# KiCad board MagMechSplit_nRF52840.kicad_pcb
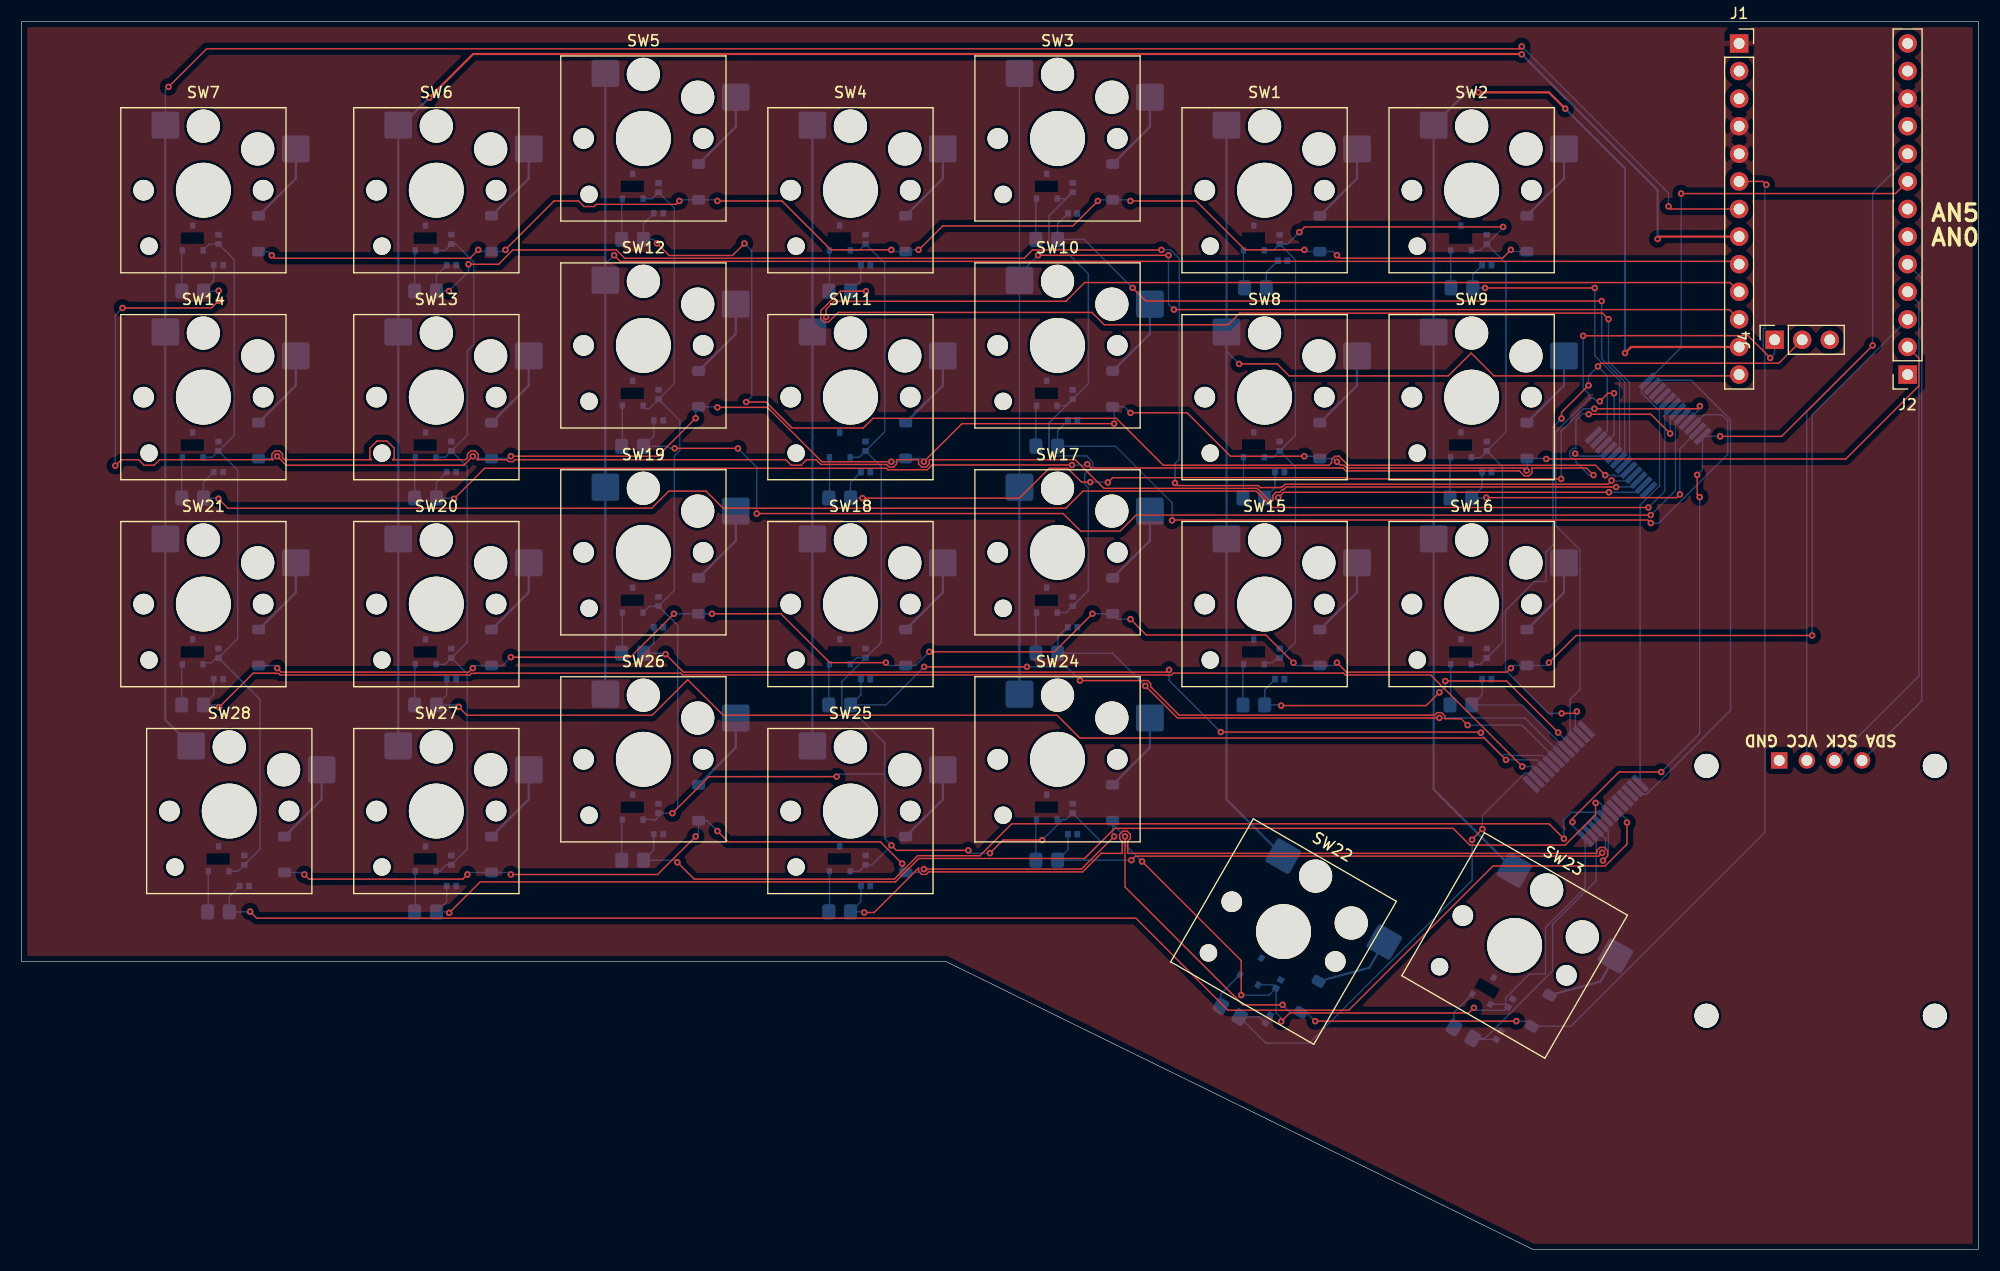
[diagram p0: board, top side]
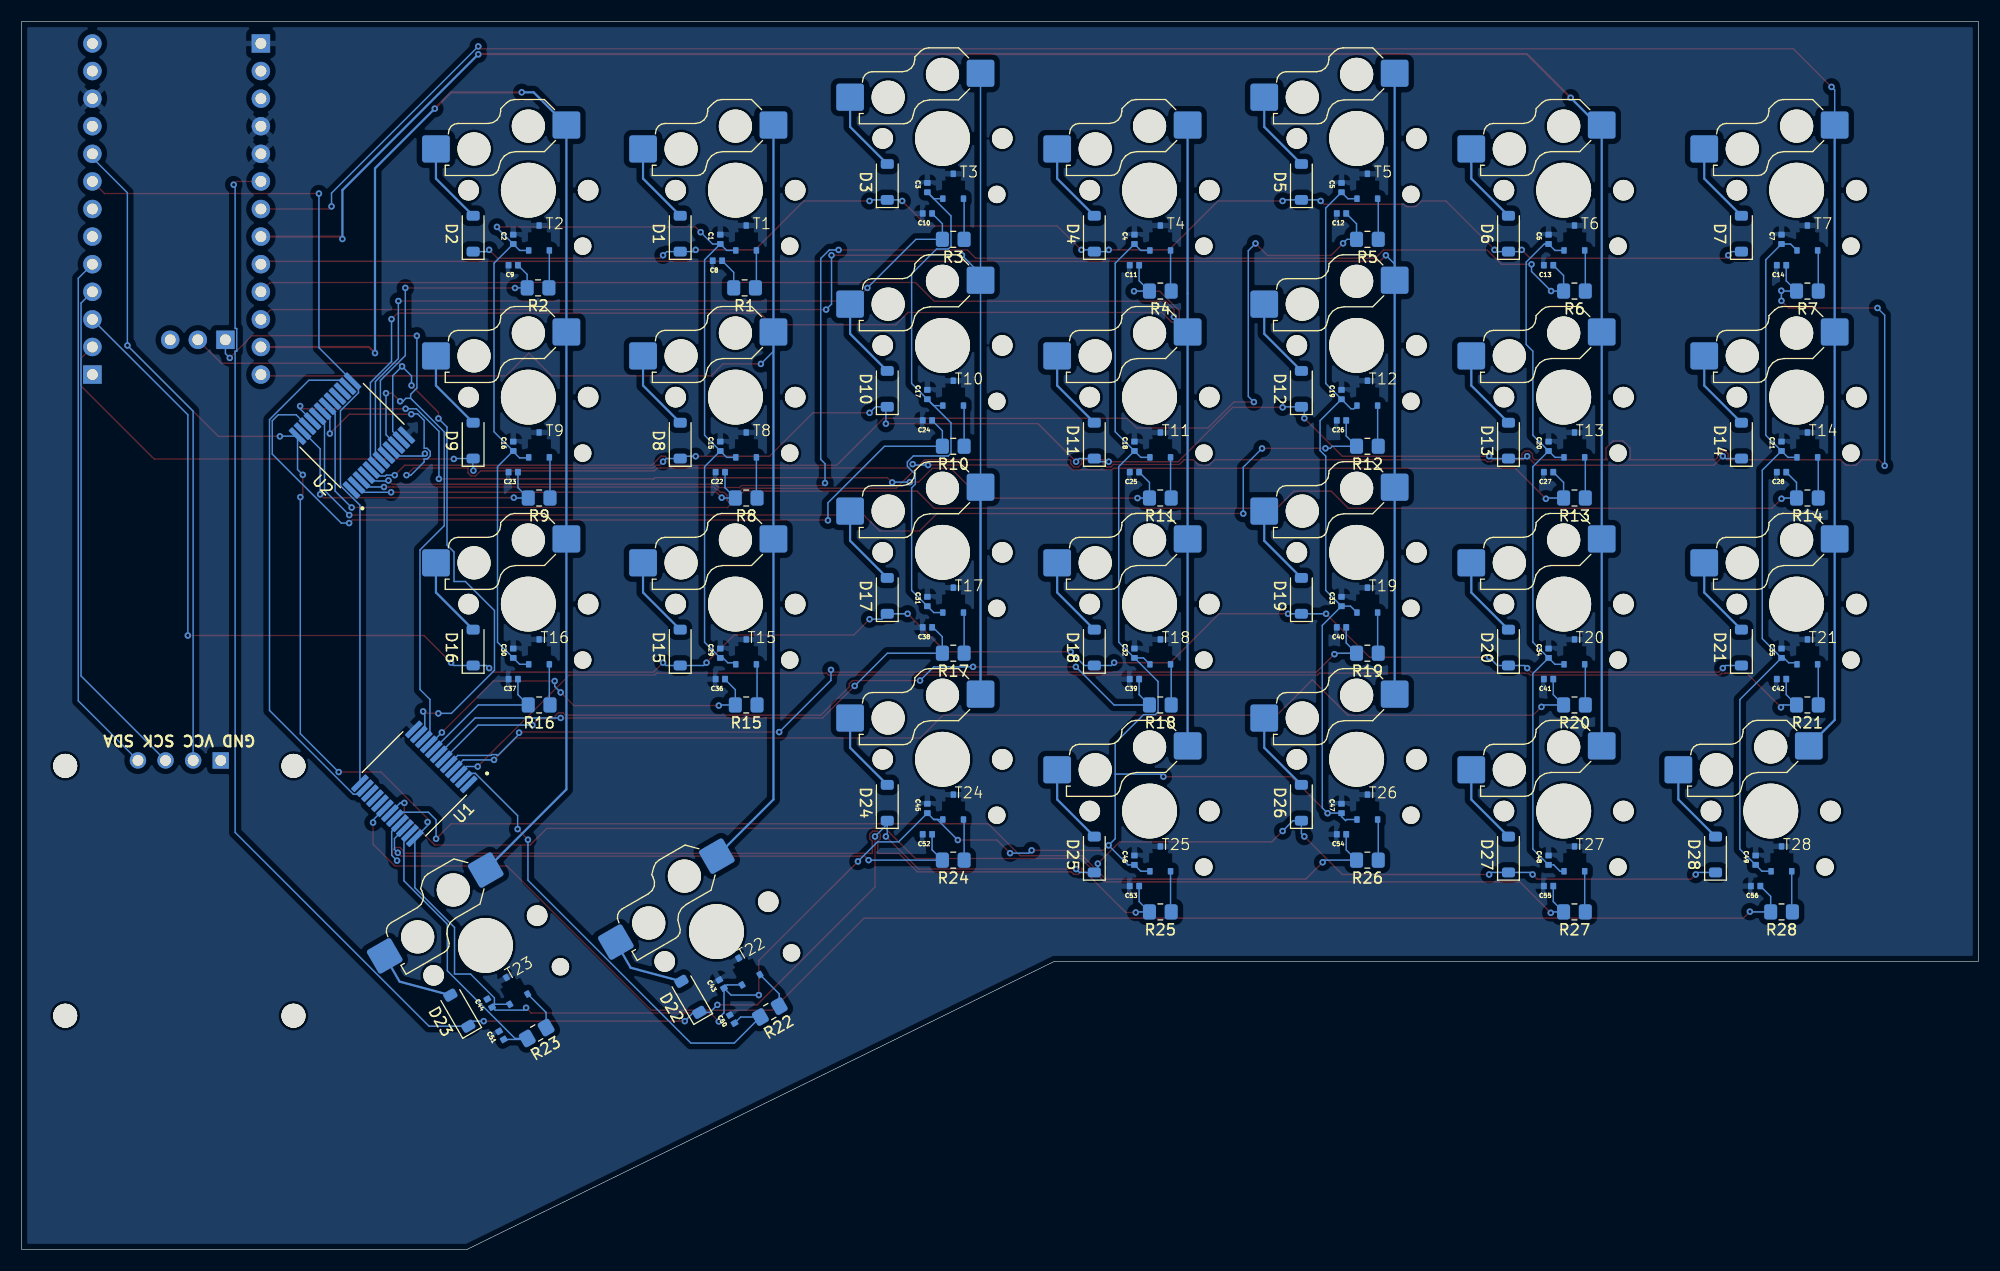
[diagram p1: board, bottom side, seen from below]

Outline 180 x 113 mm; copper layers: Front, In1.Cu, In2.Cu, Back. Coordinates in mm from the lower left corner of the outline.
Outline path: 0,113 0,26.5 85,26.5 139,0 180,0 180,113 0,113
Stack: Front 0.035mm / dielectric 0.4801mm FR4 er 4.5 / In1.Cu 0.035mm / dielectric 0.4801mm FR4 er 4.5 / In2.Cu 0.035mm / dielectric 0.4801mm FR4 er 4.5 / Back 0.035mm

## Placement (name value [footprint] x y rotation side)
C1  1uF  [CAPC1005X55N]  115.73 92.97 90 bottom
C2  1uF  [CAPC1005X55N]  134.78 92.97 90 bottom
C3  1uF  [CAPC1005X55N]  96.68 97.73 90 bottom
C4  1uF  [CAPC1005X55N]  77.63 92.97 90 bottom
C5  1uF  [CAPC1005X55N]  58.58 97.73 90 bottom
C6  1uF  [CAPC1005X55N]  39.53 92.97 90 bottom
C7  1uF  [CAPC1005X55N]  18.1 92.97 90 bottom
C8  100pF  [CAPC1005X55N]  116 91 0 bottom
C9  100pF  [CAPC1005X55N]  134.78 90.59 0 bottom
C10  100pF  [CAPC1005X55N]  96.68 95.35 0 bottom
C11  100pF  [CAPC1005X55N]  77.63 90.59 0 bottom
C12  100pF  [CAPC1005X55N]  58.58 95.35 0 bottom
C13  100pF  [CAPC1005X55N]  39.53 90.59 0 bottom
C14  100pF  [CAPC1005X55N]  18.1 90.59 0 bottom
C15  1uF  [CAPC1005X55N]  115.73 73.92 90 bottom
C16  1uF  [CAPC1005X55N]  134.78 73.92 90 bottom
C17  1uF  [CAPC1005X55N]  96.68 78.68 90 bottom
C18  1uF  [CAPC1005X55N]  77.63 73.92 90 bottom
C19  1uF  [CAPC1005X55N]  58.58 78.68 90 bottom
C20  1uF  [CAPC1005X55N]  39.53 73.92 90 bottom
C21  1uF  [CAPC1005X55N]  18.1 73.92 90 bottom
C22  100pF  [CAPC1005X55N]  115.73 71.54 0 bottom
C23  100pF  [CAPC1005X55N]  134.78 71.54 0 bottom
C24  100pF  [CAPC1005X55N]  96.68 76.3 0 bottom
C25  100pF  [CAPC1005X55N]  77.63 71.54 0 bottom
C26  100pF  [CAPC1005X55N]  58.58 76.3 0 bottom
C27  100pF  [CAPC1005X55N]  39.53 71.54 0 bottom
C28  100pF  [CAPC1005X55N]  18.1 71.54 0 bottom
C29  1uF  [CAPC1005X55N]  115.73 54.87 90 bottom
C30  1uF  [CAPC1005X55N]  134.78 54.87 90 bottom
C31  1uF  [CAPC1005X55N]  96.68 59.63 90 bottom
C32  1uF  [CAPC1005X55N]  77.63 54.87 90 bottom
C33  1uF  [CAPC1005X55N]  58.58 59.63 90 bottom
C34  1uF  [CAPC1005X55N]  39.53 54.87 90 bottom
C35  1uF  [CAPC1005X55N]  18.1 54.87 90 bottom
C36  100pF  [CAPC1005X55N]  115.73 52.49 0 bottom
C37  100pF  [CAPC1005X55N]  134.78 52.49 0 bottom
C38  100pF  [CAPC1005X55N]  96.68 57.25 0 bottom
C39  100pF  [CAPC1005X55N]  77.63 52.49 0 bottom
C40  100pF  [CAPC1005X55N]  58.58 57.25 0 bottom
C41  100pF  [CAPC1005X55N]  39.53 52.49 0 bottom
C42  100pF  [CAPC1005X55N]  18.1 52.49 0 bottom
C43  1uF  [CAPC1005X55N]  115.61 24.42 60 bottom
C44  1uF  [CAPC1005X55N]  136.95 22.66 60 bottom
C45  1uF  [CAPC1005X55N]  96.68 40.58 90 bottom
C46  1uF  [CAPC1005X55N]  77.63 35.82 90 bottom
C47  1uF  [CAPC1005X55N]  58.58 40.58 90 bottom
C48  1uF  [CAPC1005X55N]  39.53 35.82 90 bottom
C49  1uF  [CAPC1005X55N]  20.48 35.82 90 bottom
C50  100pF  [CAPC1005X55N]  114.64 21.19 60 bottom
C51  100pF  [CAPC1005X55N]  135.87 19.69 60 bottom
C52  100pF  [CAPC1005X55N]  96.68 38.2 0 bottom
C53  100pF  [CAPC1005X55N]  77.63 33.44 0 bottom
C54  100pF  [CAPC1005X55N]  58.58 38.2 0 bottom
C55  100pF  [CAPC1005X55N]  39.53 33.44 0 bottom
C56  100pF  [CAPC1005X55N]  20.48 33.44 0 bottom
D1  D  [D_SOD-123]  119.42 93.49 90 bottom
D2  D  [D_SOD-123]  138.47 93.49 90 bottom
D3  D  [D_SOD-123]  100.37 98.25 90 bottom
D4  D  [D_SOD-123]  81.32 93.49 90 bottom
D5  D  [D_SOD-123]  62.27 98.25 90 bottom
D6  D  [D_SOD-123]  43.22 93.49 90 bottom
D7  D  [D_SOD-123]  21.79 93.49 90 bottom
D8  D  [D_SOD-123]  119.42 74.44 90 bottom
D9  D  [D_SOD-123]  138.47 74.44 90 bottom
D10  D  [D_SOD-123]  100.37 79.2 90 bottom
D11  D  [D_SOD-123]  81.32 74.44 90 bottom
D12  D  [D_SOD-123]  62.27 79.2 90 bottom
D13  D  [D_SOD-123]  43.22 74.44 90 bottom
D14  D  [D_SOD-123]  21.79 74.44 90 bottom
D15  D  [D_SOD-123]  119.42 55.39 90 bottom
D16  D  [D_SOD-123]  138.47 55.39 90 bottom
D17  D  [D_SOD-123]  100.37 60.15 90 bottom
D18  D  [D_SOD-123]  81.32 55.39 90 bottom
D19  D  [D_SOD-123]  62.27 60.15 90 bottom
D20  D  [D_SOD-123]  43.22 55.39 90 bottom
D21  D  [D_SOD-123]  21.79 55.39 90 bottom
D22  D  [D_SOD-123]  118.48 23.24 60 bottom
D23  D  [D_SOD-123]  139.74 21.96 60 bottom
D24  D  [D_SOD-123]  100.37 41.1 90 bottom
D25  D  [D_SOD-123]  81.32 36.34 90 bottom
D26  D  [D_SOD-123]  62.27 41.1 90 bottom
D27  D  [D_SOD-123]  43.22 36.34 90 bottom
D28  D  [D_SOD-123]  24.17 36.34 90 bottom
J1  Conn_01x13_Pin  [PinSocket_1x13_P2.54mm_Vertical]  158 111 0 top
J2  Conn_01x13_Pin  [PinSocket_1x13_P2.54mm_Vertical]  173.5 80.52 180 top
J4  Conn_01x03_Pin  [PinSocket_1x03_P2.54mm_Vertical]  161.26 83.72 90 top
R1  47k  [R_0805_2012Metric_Pad1.20x1.40mm_HandSolder]  113.5 88.5 0 bottom
R2  47k  [R_0805_2012Metric_Pad1.20x1.40mm_HandSolder]  132.5 88.5 0 bottom
R3  47k  [R_0805_2012Metric_Pad1.20x1.40mm_HandSolder]  94.3 92.97 0 bottom
R4  47k  [R_0805_2012Metric_Pad1.20x1.40mm_HandSolder]  75.25 88.21 0 bottom
R5  47k  [R_0805_2012Metric_Pad1.20x1.40mm_HandSolder]  56.2 92.97 0 bottom
R6  47k  [R_0805_2012Metric_Pad1.20x1.40mm_HandSolder]  37.15 88.21 0 bottom
R7  47k  [R_0805_2012Metric_Pad1.20x1.40mm_HandSolder]  15.72 88.21 0 bottom
R8  47k  [R_0805_2012Metric_Pad1.20x1.40mm_HandSolder]  113.35 69.16 0 bottom
R9  47k  [R_0805_2012Metric_Pad1.20x1.40mm_HandSolder]  132.4 69.16 0 bottom
R10  47k  [R_0805_2012Metric_Pad1.20x1.40mm_HandSolder]  94.3 73.92 0 bottom
R11  47k  [R_0805_2012Metric_Pad1.20x1.40mm_HandSolder]  75.25 69.16 0 bottom
R12  47k  [R_0805_2012Metric_Pad1.20x1.40mm_HandSolder]  56.2 73.92 0 bottom
R13  47k  [R_0805_2012Metric_Pad1.20x1.40mm_HandSolder]  37.15 69.16 0 bottom
R14  47k  [R_0805_2012Metric_Pad1.20x1.40mm_HandSolder]  15.72 69.16 0 bottom
R15  47k  [R_0805_2012Metric_Pad1.20x1.40mm_HandSolder]  113.35 50.11 0 bottom
R16  47k  [R_0805_2012Metric_Pad1.20x1.40mm_HandSolder]  132.4 50.11 0 bottom
R17  47k  [R_0805_2012Metric_Pad1.20x1.40mm_HandSolder]  94.3 54.87 0 bottom
R18  47k  [R_0805_2012Metric_Pad1.20x1.40mm_HandSolder]  75.25 50.11 0 bottom
R19  47k  [R_0805_2012Metric_Pad1.20x1.40mm_HandSolder]  56.2 54.87 0 bottom
R20  47k  [R_0805_2012Metric_Pad1.20x1.40mm_HandSolder]  37.15 50.11 0 bottom
R21  47k  [R_0805_2012Metric_Pad1.20x1.40mm_HandSolder]  15.72 50.11 0 bottom
R22  47k  [R_0805_2012Metric_Pad1.20x1.40mm_HandSolder]  111.18 21.88 330 bottom
R23  47k  [R_0805_2012Metric_Pad1.20x1.40mm_HandSolder]  132.62 19.91 330 bottom
R24  47k  [R_0805_2012Metric_Pad1.20x1.40mm_HandSolder]  94.3 35.82 0 bottom
R25  47k  [R_0805_2012Metric_Pad1.20x1.40mm_HandSolder]  75.25 31.06 0 bottom
R26  47k  [R_0805_2012Metric_Pad1.20x1.40mm_HandSolder]  56.2 35.82 0 bottom
R27  47k  [R_0805_2012Metric_Pad1.20x1.40mm_HandSolder]  37.15 31.06 0 bottom
R28  47k  [R_0805_2012Metric_Pad1.20x1.40mm_HandSolder]  18.1 31.06 0 bottom
REF**  -  [OLED_128x64]  165.5 33 180 top
REF**#2  -  [Standoff_M2x4mm]  155 21.5 180 bottom
REF**#3  -  [Standoff_M2x4mm]  176 21.5 180 bottom
REF**#4  -  [Standoff_M2x4mm]  176 44.5 180 bottom
REF**#5  -  [Standoff_M2x4mm]  155 44.5 180 bottom
SW1  SW_Push  [SW_Hotswap_Kailh_Choc_V1V2_1.00u]  114.34 97.49 0 top
SW2  SW_Push  [SW_Hotswap_Kailh_Choc_V1V2_1.00u]  133.39 97.49 0 top
SW3  SW_Push  [SW_Hotswap_Kailh_Choc_V1V2_1.00u]  95.29 102.25 0 top
SW4  SW_Push  [SW_Hotswap_Kailh_Choc_V1V2_1.00u]  76.24 97.49 0 top
SW5  SW_Push  [SW_Hotswap_Kailh_Choc_V1V2_1.00u]  57.19 102.25 0 top
SW6  SW_Push  [SW_Hotswap_Kailh_Choc_V1V2_1.00u]  38.14 97.49 0 top
SW7  SW_Push  [SW_Hotswap_Kailh_Choc_V1V2_1.25u]  16.71 97.49 0 top
SW8  SW_Push  [SW_Hotswap_Kailh_Choc_V1V2_1.00u]  114.34 78.44 0 top
SW9  SW_Push  [SW_Hotswap_Kailh_Choc_V1V2_1.00u]  133.39 78.44 0 top
SW10  SW_Push  [SW_Hotswap_Kailh_Choc_V1V2_1.00u]  95.29 83.2 0 top
SW11  SW_Push  [SW_Hotswap_Kailh_Choc_V1V2_1.00u]  76.24 78.44 0 top
SW12  SW_Push  [SW_Hotswap_Kailh_Choc_V1V2_1.00u]  57.19 83.2 0 top
SW13  SW_Push  [SW_Hotswap_Kailh_Choc_V1V2_1.00u]  38.14 78.44 0 top
SW14  SW_Push  [SW_Hotswap_Kailh_Choc_V1V2_1.25u]  16.71 78.44 0 top
SW15  SW_Push  [SW_Hotswap_Kailh_Choc_V1V2_1.00u]  114.34 59.39 0 top
SW16  SW_Push  [SW_Hotswap_Kailh_Choc_V1V2_1.00u]  133.39 59.39 0 top
SW17  SW_Push  [SW_Hotswap_Kailh_Choc_V1V2_1.00u]  95.29 64.15 0 top
SW18  SW_Push  [SW_Hotswap_Kailh_Choc_V1V2_1.00u]  76.24 59.39 0 top
SW19  SW_Push  [SW_Hotswap_Kailh_Choc_V1V2_1.00u]  57.19 64.15 0 top
SW20  SW_Push  [SW_Hotswap_Kailh_Choc_V1V2_1.00u]  38.14 59.39 0 top
SW21  SW_Push  [SW_Hotswap_Kailh_Choc_V1V2_1.25u]  16.71 59.39 0 top
SW22  SW_Push  [SW_Hotswap_Kailh_Choc_V1V2_1.00u]  116.08 29.24 330 top
SW23  SW_Push  [SW_Hotswap_Kailh_Choc_V1V2_1.00u]  137.34 27.97 330 top
SW24  SW_Push  [SW_Hotswap_Kailh_Choc_V1V2_1.00u]  95.29 45.1 0 top
SW25  SW_Push  [SW_Hotswap_Kailh_Choc_V1V2_1.00u]  76.24 40.34 0 top
SW26  SW_Push  [SW_Hotswap_Kailh_Choc_V1V2_1.00u]  57.19 45.1 0 top
SW27  SW_Push  [SW_Hotswap_Kailh_Choc_V1V2_1.00u]  38.14 40.34 0 top
SW28  SW_Push  [SW_Hotswap_Kailh_Choc_V1V2_1.00u]  19.09 40.34 0 top
T1  ~  [TMR2617S]  113.35 92.97 180 bottom
T2  ~  [TMR2617S]  132.4 92.97 180 bottom
T3  ~  [TMR2617S]  94.3 97.73 180 bottom
T4  ~  [TMR2617S]  75.25 92.97 180 bottom
T5  ~  [TMR2617S]  56.2 97.73 180 bottom
T6  ~  [TMR2617S]  37.15 92.97 180 bottom
T7  ~  [TMR2617S]  15.72 92.97 180 bottom
T8  ~  [TMR2617S]  113.35 73.92 180 bottom
T9  ~  [TMR2617S]  132.4 73.92 180 bottom
T10  ~  [TMR2617S]  94.3 78.68 180 bottom
T11  ~  [TMR2617S]  75.25 73.92 180 bottom
T12  ~  [TMR2617S]  56.2 78.68 180 bottom
T13  ~  [TMR2617S]  37.15 73.92 180 bottom
T14  ~  [TMR2617S]  15.72 73.92 180 bottom
T15  ~  [TMR2617S]  113.35 54.87 180 bottom
T16  ~  [TMR2617S]  132.4 54.87 180 bottom
T17  ~  [TMR2617S]  94.3 59.63 180 bottom
T18  ~  [TMR2617S]  75.25 54.87 180 bottom
T19  ~  [TMR2617S]  56.2 59.63 180 bottom
T20  ~  [TMR2617S]  37.15 54.87 180 bottom
T21  ~  [TMR2617S]  15.72 54.87 180 bottom
T22  ~  [TMR2617S]  113.41 25.7 150 bottom
T23  ~  [TMR2617S]  134.78 23.91 150 bottom
T24  ~  [TMR2617S]  94.3 40.58 180 bottom
T25  ~  [TMR2617S]  75.25 35.82 180 bottom
T26  ~  [TMR2617S]  56.2 40.58 180 bottom
T27  ~  [TMR2617S]  37.15 35.82 180 bottom
T28  ~  [TMR2617S]  18.1 35.82 180 bottom
U1  CD74HC4067SM96  [SOP65P780X200-24N]  143.88 42.85 315 bottom
U2  CD74HC4067SM96  [SOP65P780X200-24N]  149.62 74.9 45 bottom

## Library data of the parts
C1-C56 = -: Description: Unpolarized capacitor; ki_fp_filters: C_*
D1-D28 = -: Sim.Pins: 1=K 2=A; ki_fp_filters: TO-???* *_Diode_* *SingleDiode* D_*
J1 J2 = -: Description: Generic connector, single row, 01x13, script generated; ki_fp_filters: Connector*:*_1x??_*
J4 = -: Description: Generic connector, single row, 01x03, script generated; ki_fp_filters: Connector*:*_1x??_*
R1-R28 = -: Description: Resistor; ki_fp_filters: R_*
U1 U2 = -: MF: Texas Instruments; Description_1: 5-V, 16:1, 1-channel analog multiplexer; Package: SSOP-24 Texas Instruments; Price: None; SnapEDA_Link: https://www.snapeda.com/parts/CD74HC4067SM96/Texas+Instruments/view-part/?ref=snap; Availability: In Stock; Check_prices: https://www.snapeda.com/parts/CD74HC4067SM96/Texas+Instruments/view-part/?ref=eda

## Footprints (pads in the part's own frame, mm; a bottom-side part is the same pattern mirrored in y, then rotated)
CAPC1005X55N
  rrect 0.54x0.6 smd: 1(-0.432,0) 2(0.432,0)
D_SOD-123
  rrect 0.9x1.2 smd: 1(-1.65,0) 2(1.65,0)
OLED_128x64
  round 2.2 hole 2.2 unplated: (-10.504,11.5) (-10.504,-11.5) (10.5,11.5) (10.5,-11.5)
  rect 1.508x1.508 hole 1: 1(3.81,-12)
  round 1.508 hole 1: 2(1.27,-12) 3(-1.27,-12) 4(-3.81,-12)
PinSocket_1x03_P2.54mm_Vertical
  rect 1.7x1.7 hole 1: 1(0,0)
  round 1.7 hole 1: 2(0,-2.54) 3(0,-5.08)
PinSocket_1x13_P2.54mm_Vertical
  rect 1.7x1.7 hole 1: 1(0,0)
  round 1.7 hole 1: 2(0,-2.54) 3(0,-5.08) 4(0,-7.62) 5(0,-10.16) 6(0,-12.7) 7(0,-15.24) 8(0,-17.78) 9(0,-20.32) 10(0,-22.86) 11(0,-25.4) 12(0,-27.94) 13(0,-30.48)
R_0805_2012Metric_Pad1.20x1.40mm_HandSolder
  rrect 1.2x1.4 smd: 1(-1,0) 2(1,0)
SOP65P780X200-24N
  rrect 1.9x0.48 smd: 1(-3.505,3.575) 2(-3.505,2.925) 3(-3.505,2.275) 4(-3.505,1.625) 5(-3.505,0.975) 6(-3.505,0.325) 7(-3.505,-0.325) 8(-3.505,-0.975) 9(-3.505,-1.625) 10(-3.505,-2.275) 11(-3.505,-2.925) 12(-3.505,-3.575) 13(3.505,-3.575) 14(3.505,-2.925) 15(3.505,-2.275) 16(3.505,-1.625) 17(3.505,-0.975) 18(3.505,-0.325) 19(3.505,0.325) 20(3.505,0.975) 21(3.505,1.625) 22(3.505,2.275) 23(3.505,2.925) 24(3.505,3.575)
Standoff_M2x4mm
  round 2.2 hole 2.2 unplated: (0,0)
SW_Hotswap_Kailh_Choc_V1V2_1.00u
  round 1.9 hole 1.9 unplated: (-5.5,0) (5.5,0)
  round 1.6 hole 1.6 unplated: (-5,-5.15)
  round 3.05 hole 3.05 unplated: (0,5.9) (5,3.8)
  round 5.05 hole 5.05 unplated: (0,0)
  rrect 2.55x2.5 smd far side: 1(-3.5,6) 2(8.5,3.8)
SW_Hotswap_Kailh_Choc_V1V2_1.25u
  round 1.9 hole 1.9 unplated: (-5.5,0) (5.5,0)
  round 1.6 hole 1.6 unplated: (-5,-5.15)
  round 3.05 hole 3.05 unplated: (0,5.9) (5,3.8)
  round 5.05 hole 5.05 unplated: (0,0)
  rrect 2.55x2.5 smd far side: 1(-3.5,6) 2(8.5,3.8)
TMR2617S
  rrect 0.5x0.6 smd: 1(-0.96,-1.02) 2(0.94,-1.02) 3(0,1.27)
